# Allegro board RK3588S_Tablet_Demo_LP4XD200P232SD10H2_V11_20220218.brd (continued)
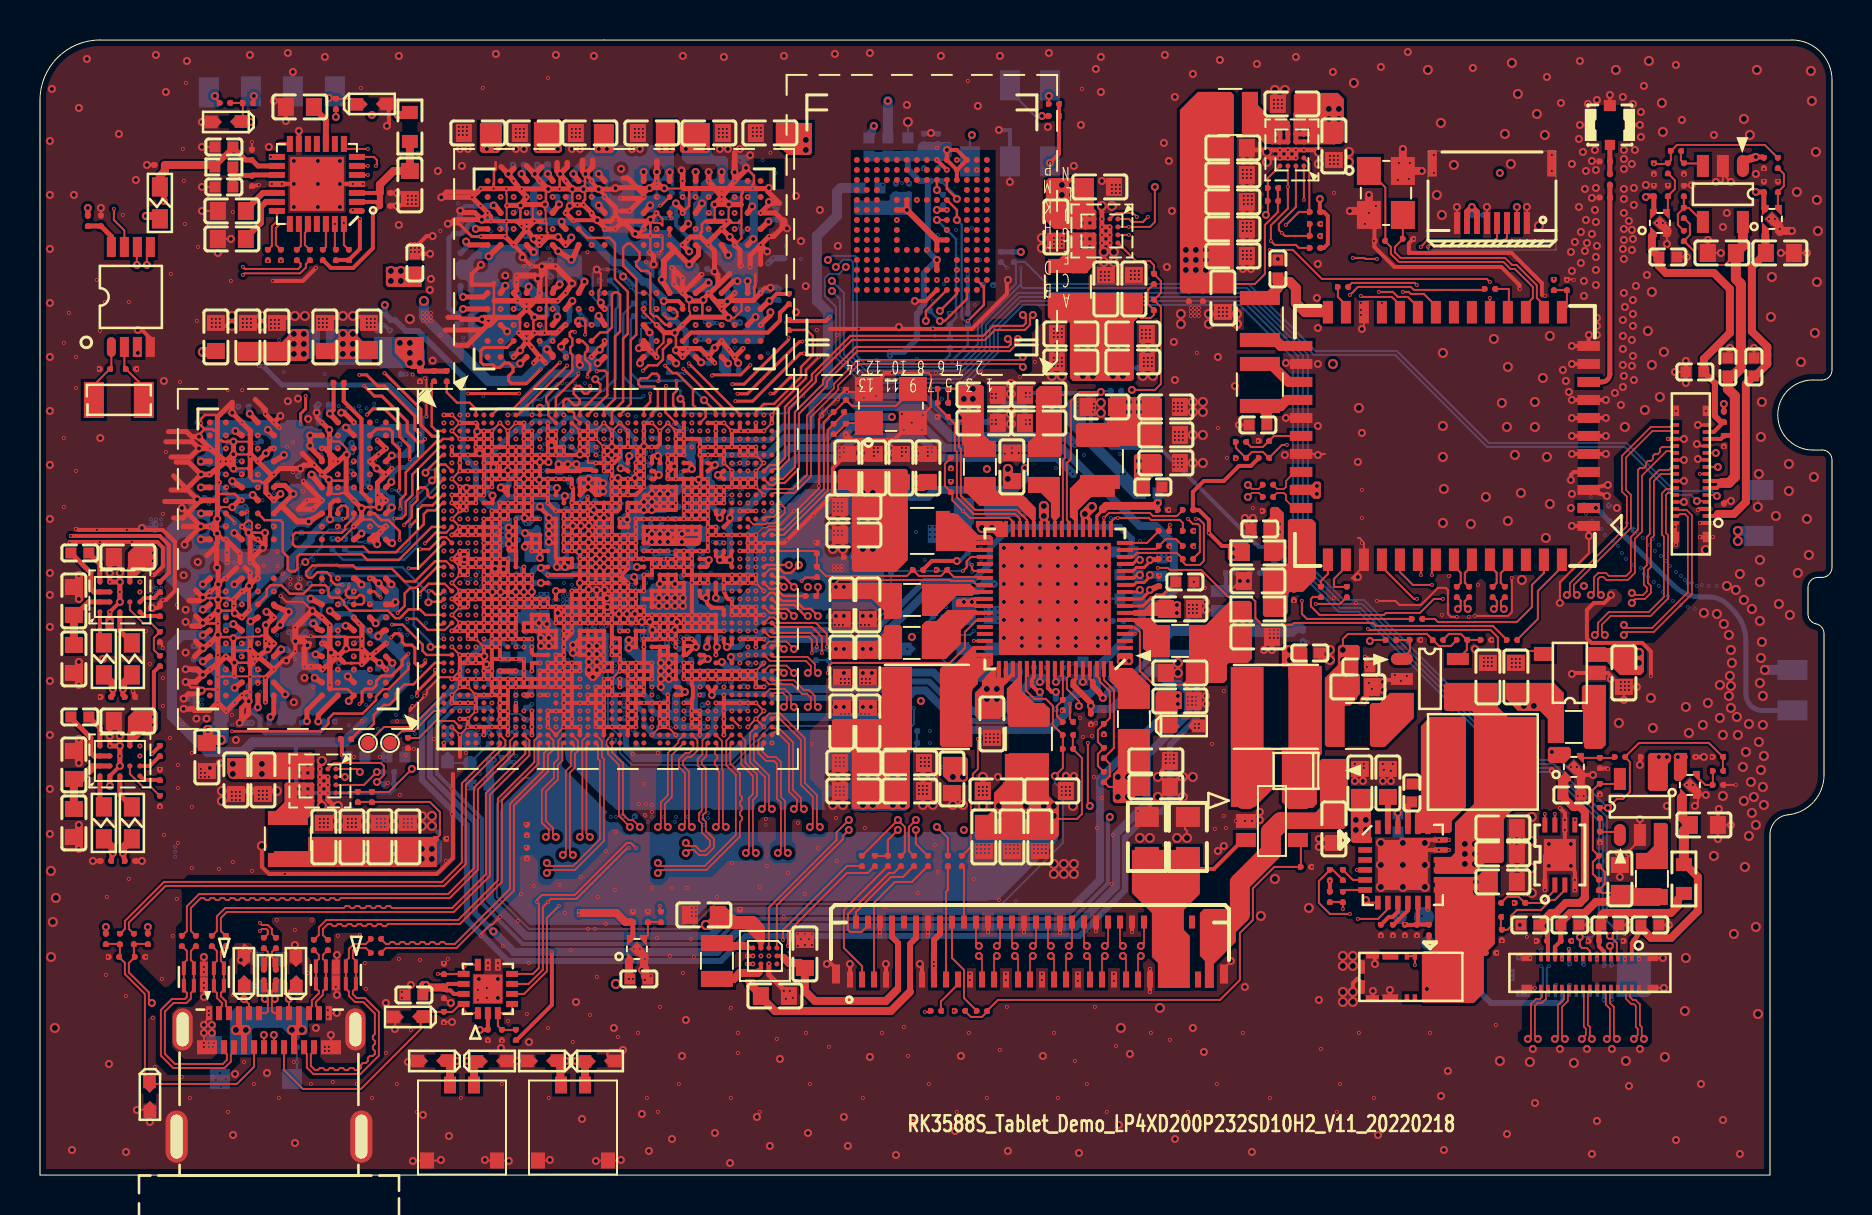
[diagram p0: board, top side]
## Footprints (pads in the part's own frame, mm; a bottom-side part is the same pattern mirrored in y, then rotated) (continued)
C0201
  custom 0.294x0.3 smd: 1(-0.25,0) 2(0.25,0)
C0402
  rect 0.55x0.55 smd: 1(-0.45,0) 2(0.45,0)
C0603
  rect 0.8x0.9 smd: 1(-0.7,0) 2(0.7,0)
CNN2_2R00_6R00X6R10X5R00_H
  rect 0.6x0.85 smd: 1(0.6,0) 2(-0.6,0)
  rect 0.7x0.8 smd: 3(-1.75,-3.775) 4(1.75,-3.775)
CON_MHF4_20449-001E
  rect 0.508x0.508 smd: 1(0,1)
  rect 0.6x0.55 smd: 2(0,-0.97)
  rect 0.074x0.201 smd: 3(-0.96,0)
  rect 0.201x0.074 smd: 4(0.96,0)
CON_SMD_6298-708_8P_0_5PITCH
  rect 0.3x1.1 smd: 1(-1.75,1.6) 2(-1.25,1.6) 3(-0.75,1.6) 4(-0.25,1.6) 5(0.25,1.6) 6(0.75,1.6) 7(1.25,1.6) 8(1.75,1.6)
  rect 0.42x1.3 smd: 9(-2.97,-1.37) 10(2.97,-1.37)
CON_SMD_BM28B0_6_30DS_2_0_35V_30
  rect 0.18x0.41 smd: 1(2.45,0.795) 2(2.1,0.795) 3(1.75,0.795) 4(1.4,0.795) 5(1.05,0.795) 6(0.7,0.795) 7(0.35,0.795) 8(0,0.795) 9(-0.35,0.795) 10(-0.7,0.795) 11(-1.05,0.795) 12(-1.4,0.795) 13(-1.75,0.795) 14(-2.1,0.795) 15(-2.45,0.795) 16(-2.45,-0.795) 17(-2.1,-0.795) 18(-1.75,-0.795) 19(-1.4,-0.795) 20(-1.05,-0.795) 21(-0.7,-0.795) 22(-0.35,-0.795) 23(0,-0.795) 24(0.35,-0.795) 25(0.7,-0.795) 26(1.05,-0.795) 27(1.4,-0.795) 28(1.75,-0.795) 29(2.1,-0.795) 30(2.45,-0.795)
  rect 0.53x0.31 smd: 31(-3.155,0.745) 32(3.155,0.745) 33(-3.155,-0.745) 34(3.155,-0.745)
CON_SMD_CPBC308-0301F_8P
  rect 0.79x0.36 smd: 1(-1.025,-1.045) 4(1.025,-1.045) 5(1.025,1.045) 8(-1.025,1.045)
  rect 0.22x0.36 smd: 2(-0.2,-1.045) 3(0.2,-1.045) 6(0.2,1.045) 7(-0.2,1.045)
  rect 0.66x0.31 smd: 9(-1.925,1.07) 12(-1.925,-1.07) 13(1.925,1.07) 16(1.925,-1.07)
  custom 0.31x0.7 smd: 10(-2.45,0.51) 11(-2.45,-0.51) 14(2.45,0.51) 15(2.45,-0.51)
CON_SMD_FH35C-61S-0_3SHW
  rect 0.3x0.8 smd: 1(-9,-1.425) 3(-8.4,-1.425) 5(-7.8,-1.425) 7(-7.2,-1.425) 9(-6.6,-1.425) 11(-6,-1.425) 13(-5.4,-1.425) 15(-4.8,-1.425) 17(-4.2,-1.425) 19(-3.6,-1.425) 21(-3,-1.425) 23(-2.4,-1.425) 25(-1.8,-1.425) 27(-1.2,-1.425) 29(-0.6,-1.425) 31(0,-1.425) 33(0.6,-1.425) 35(1.2,-1.425) 37(1.8,-1.425) 39(2.4,-1.425) 41(3,-1.425) 43(3.6,-1.425) 45(4.2,-1.425) 47(4.8,-1.425) 49(5.4,-1.425) 51(6,-1.425) 53(6.6,-1.425) 55(7.2,-1.425) 57(7.8,-1.425) 59(8.4,-1.425) 61(9,-1.425)
  rect 0.3x0.65 smd: 2(-8.7,1.45) 4(-8.1,1.45) 6(-7.5,1.45) 8(-6.9,1.45) 10(-6.3,1.45) 12(-5.7,1.45) 14(-5.1,1.45) 16(-4.5,1.45) 18(-3.9,1.45) 20(-3.3,1.45) 22(-2.7,1.45) 24(-2.1,1.45) 26(-1.5,1.45) 28(-0.9,1.45) 30(-0.3,1.45) 32(0.3,1.45) 34(0.9,1.45) 36(1.5,1.45) 38(2.1,1.45) 40(2.7,1.45) 42(3.3,1.45) 44(3.9,1.45) 46(4.5,1.45) 48(5.1,1.45) 50(5.7,1.45) 52(6.3,1.45) 54(6.9,1.45) 56(7.5,1.45) 58(8.1,1.45) 60(8.7,1.45)
  rect 0.4x0.95 smd: 62(-9.7,-1.15) 63(9.7,-1.15)
CON_SMD_WP26DK-S024VA3_24P_0_35P
  rect 0.17x0.44 smd: 1(-1.925,0.88) 2(-1.575,0.88) 3(-1.225,0.88) 4(-0.875,0.88) 5(-0.525,0.88) 6(-0.175,0.88) 7(0.175,0.88) 8(0.525,0.88) 9(0.875,0.88) 10(1.225,0.88) 11(1.575,0.88) 12(1.925,0.88) 13(1.925,-0.88) 14(1.575,-0.88) 15(1.225,-0.88) 16(0.875,-0.88) 17(0.525,-0.88) 18(0.175,-0.88) 19(-0.175,-0.88) 20(-0.525,-0.88) 21(-0.875,-0.88) 22(-1.225,-0.88) 23(-1.575,-0.88) 24(-1.925,-0.88)
  rect 0.7x0.375 smd: 25(2.855,-0.912) 27(2.855,0.912) 28(-2.855,-0.912) 30(-2.855,0.912)
  rect 0.28x0.6 smd: 26(3.395,0) 29(-3.395,0)
CRY2_3R20X1R50X0R90
  rect 1x1.8 smd: 1(-1.25,0) 2(1.25,0)
CRY4_3R20X2R50X0R80
  rect 1.4x1.2 smd: 1(-1.1,-0.85) 2(1.1,-0.85) 3(1.1,0.85) 4(-1.1,0.85)
DFN4_1R00X1R00X0R40_T
  custom 0.35x0.5 smd: N1(-0.325,-0.45) N2(0.325,-0.45) N3(0.325,0.45) N4(-0.325,0.45)
  rect 0.48x0.48 smd rot 45: N5(0,0)
DFN8_3R00X2R50X0R90
  oval 0.75x0.25 smd: 1(-1.5,0.75)
  rect 0.75x0.25 smd: 2(-1.5,0.25) 3(-1.5,-0.25) 4(-1.5,-0.75) 5(1.5,-0.75) 6(1.5,-0.25) 7(1.5,0.25) 8(1.5,0.75)
  rect 1.6x1.6 smd: 9(0,0)
ESD0402
  custom 0.868x0.636 smd: 1(-0.635,-0.02)
  custom 0.86x0.636 smd: 2(0.622,0)
IND_201610
  rect 0.8x1.6 smd: 1(-0.9,0) 2(0.9,0)
IND_252010
  rect 0.7x2 smd: 1(-1.05,0) 2(1.05,0)
IND_252012
  rect 0.7x2 smd: 1(-1.05,0) 2(1.05,0)
IND_404012
  rect 1.5x4 smd: 1(-1.5,0) 2(1.5,0)
IND_404020
  rect 1.5x4 smd: 1(-1.5,0) 2(1.5,0)
IND_505015
  rect 1.8x4.5 smd: 1(-1.75,0) 2(1.75,0)
L0603
  rect 0.965x0.8 smd: 1(-0.8,0) 2(0.8,0)
MD50_WIFI-AP6275P
  rect 1.125x0.5 smd: 1(-7.188,4.5) 2(-7.188,3.6) 3(-7.188,2.7) 4(-7.188,1.8) 5(-7.188,0.9) 6(-7.188,0) 7(-7.188,-0.9) 8(-7.188,-1.8) 9(-7.188,-2.7) 10(-7.188,-3.6) 11(-7.188,-4.5) 26(7.188,-4.5) 27(7.188,-3.6) 28(7.188,-2.7) 29(7.188,-1.8) 30(7.188,-0.9) 31(7.188,0) 32(7.188,0.9) 33(7.188,1.8) 34(7.188,2.7) 35(7.188,3.6) 36(7.188,4.5)
  rect 0.5x1.125 smd: 12(-5.85,-6.188) 13(-4.95,-6.188) 14(-4.05,-6.188) 15(-3.15,-6.188) 16(-2.25,-6.188) 17(-1.35,-6.188) 18(-0.45,-6.188) 19(0.45,-6.188) 20(1.35,-6.188) 21(2.25,-6.188) 22(3.15,-6.188) 23(4.05,-6.188) 24(4.95,-6.188) 25(5.85,-6.188) 37(5.85,6.188) 38(4.95,6.188) 39(4.05,6.188) 40(3.15,6.188) 41(2.25,6.188) 42(1.35,6.188) 43(0.45,6.188) 44(-0.45,6.188) 45(-1.35,6.188) 46(-2.25,6.188) 47(-3.15,6.188) 48(-4.05,6.188) 49(-4.95,6.188) 50(-5.85,6.188)
MLP14_2R50X2R50X0R80
  rect 0.6x0.3 smd: 1(-1.21,0.5) 2(-1.21,0) 3(-1.21,-0.5) 8(1.21,-0.5) 9(1.21,0) 10(1.21,0.5)
  rect 0.3x0.6 smd: 4(-0.75,-1.21) 5(-0.25,-1.21) 6(0.25,-1.21) 7(0.75,-1.21) 11(0.75,1.21) 12(0.25,1.21) 13(-0.25,1.21) 14(-0.75,1.21)
  rect 1.45x1.45 smd: 15(0,0)
QFN24_4R00X4R00X0R80_T
  rect 0.28x0.69 smd: 1(-1.25,-1.885) 2(-0.75,-1.885) 3(-0.25,-1.885) 4(0.25,-1.885) 5(0.75,-1.885) 6(1.25,-1.885) 13(1.25,1.885) 14(0.75,1.885) 15(0.25,1.885) 16(-0.25,1.885) 17(-0.75,1.885) 18(-1.25,1.885)
  rect 0.69x0.28 smd: 7(1.885,-1.25) 8(1.885,-0.75) 9(1.885,-0.25) 10(1.885,0.25) 11(1.885,0.75) 12(1.885,1.25) 19(-1.885,1.25) 20(-1.885,0.75) 21(-1.885,0.25) 22(-1.885,-0.25) 23(-1.885,-0.75) 24(-1.885,-1.25)
  rect 2.5x2.5 smd: 25(0,0)
QFN28_4R00X4R00X0R90_T
  oval 0.8x0.3 smd: 1(-2,1.35)
  rect 0.8x0.3 smd: 2(-2,0.9) 3(-2,0.45) 4(-2,0) 5(-2,-0.45) 6(-2,-0.9) 7(-2,-1.35) 15(2,-1.35) 16(2,-0.9) 17(2,-0.45) 18(2,0) 19(2,0.45) 20(2,0.9) 21(2,1.35)
  rect 0.3x0.8 smd: 8(-1.35,-2) 9(-0.9,-2) 10(-0.45,-2) 11(0,-2) 12(0.45,-2) 13(0.9,-2) 14(1.35,-2) 22(1.35,2) 23(0.9,2) 24(0.45,2) 25(0,2) 26(-0.45,2) 27(-0.9,2) 28(-1.35,2)
  rect 2.7x2.7 smd: 29(0,0)
QFN68_7R00X7R00X0R80_T
  oval 0.8x0.2 smd: 1(-3.5,2.8)
  rect 0.8x0.2 smd: 2(-3.5,2.45) 3(-3.5,2.1) 4(-3.5,1.75) 5(-3.5,1.4) 6(-3.5,1.05) 7(-3.5,0.7) 8(-3.5,0.35) 9(-3.5,0) 10(-3.5,-0.35) 11(-3.5,-0.7) 12(-3.5,-1.05) 13(-3.5,-1.4) 14(-3.5,-1.75) 15(-3.5,-2.1) 16(-3.5,-2.45) 17(-3.5,-2.8) 35(3.5,-2.8) 36(3.5,-2.45) 37(3.5,-2.1) 38(3.5,-1.75) 39(3.5,-1.4) 40(3.5,-1.05) 41(3.5,-0.7) 42(3.5,-0.35) 43(3.5,0) 44(3.5,0.35) 45(3.5,0.7) 46(3.5,1.05) 47(3.5,1.4) 48(3.5,1.75) 49(3.5,2.1) 50(3.5,2.45) 51(3.5,2.8)
  rect 0.2x0.8 smd: 18(-2.8,-3.5) 19(-2.45,-3.5) 20(-2.1,-3.5) 21(-1.75,-3.5) 22(-1.4,-3.5) 23(-1.05,-3.5) 24(-0.7,-3.5) 25(-0.35,-3.5) 26(0,-3.5) 27(0.35,-3.5) 28(0.7,-3.5) 29(1.05,-3.5) 30(1.4,-3.5) 31(1.75,-3.5) 32(2.1,-3.5) 33(2.45,-3.5) 34(2.8,-3.5) 52(2.8,3.5) 53(2.45,3.5) 54(2.1,3.5) 55(1.75,3.5) 56(1.4,3.5) 57(1.05,3.5) 58(0.7,3.5) 59(0.35,3.5) 60(0,3.5) 61(-0.35,3.5) 62(-0.7,3.5) 63(-1.05,3.5) 64(-1.4,3.5) 65(-1.75,3.5) 66(-2.1,3.5) 67(-2.45,3.5) 68(-2.8,3.5)
  rect 5.6x5.6 smd: 69(0,0)
R0201
  custom 0.294x0.3 smd: 1(-0.25,0) 2(0.25,0)
R0402
  rect 0.55x0.55 smd: 1(-0.45,0) 2(0.45,0)
R0603
  rect 0.65x0.8 smd: 1(-0.725,0) 2(0.725,0)
R0805
  rect 1x1.2 smd: 1(-1,0) 2(1,0)
RP2_0504
  rect 0.5x0.3 smd: 1(-0.625,-0.275) 2(0.625,-0.275) 3(-0.625,0.275) 4(0.625,0.275)
SMD1_65X1_0
  rect 1.5x1 smd: 1(0.075,0)
SOD_123
  rect 1x1 smd: 1(-1.8,0) 2(1.8,0)
SON10_2R50X1R00X0R50
  rect 0.2x0.68 smd: 1(-1,-0.437) 2(-0.5,-0.437) 4(0.5,-0.437) 5(1,-0.437) 6(1,0.437) 7(0.5,0.437) 9(-0.5,0.437) 10(-1,0.437)
  rect 0.4x0.75 smd: 3(0,-0.395) 8(0,0.395)
SOT23-6
  oval 1x0.7 smd: 1(-1.3,0.95)
  rect 1x0.7 smd: 2(-1.3,0) 3(-1.3,-0.95) 4(1.3,-0.95) 5(1.3,0) 6(1.3,0.95)
SOT_23_5
  oval 1.1x0.6 smd: 1(0,0)
  rect 1.1x0.6 smd: 2(0,-1) 3(0,-2) 4(2.8,-2) 5(2.8,0)
TP_0R70
  round 0.7 smd: 1(0,0)
TP_1R00
  round 1 smd: 1(0,0)
TSOT_23_5
  rect 1x0.7 smd: 1(-1.3,0.95) 2(-1.3,0) 3(-1.3,-0.95) 4(1.3,-0.95) 5(1.3,0.95)
TSSOP8_3R10X3R10X1R10
  oval 1x0.45 smd: 1(-2.5,0.975)
  rect 1x0.45 smd: 2(-2.5,0.325) 3(-2.5,-0.325) 4(-2.5,-0.975) 5(2.5,-0.975) 6(2.5,-0.325) 7(2.5,0.325) 8(2.5,0.975)
TYPEC30_24P_SD-2012670005
  rect 0.3x0.7 smd: A1(-3,3.49) A2(-2.5,3.49) A3(-2,3.49) A4(-1.5,3.49) A5(-1,3.49) A6(-0.5,3.49) A7(0.5,3.49) A8(1,3.49) A9(1.5,3.49) A10(2,3.49) A11(2.5,3.49) A12(3,3.49) B2(2.25,1.79) B3(1.75,1.79) B4(1.25,1.79) B5(0.75,1.79) B6(0.25,1.79) B7(-0.25,1.79) B8(-0.75,1.79) B9(-1.25,1.79) B10(-1.75,1.79) B11(-2.25,1.79)
  rect 1x0.7 smd: B1(3.1,1.79) B12(-3.1,1.79)
  oval 1x2.1 hole 0.6x1.7: H1(-4.32,2.68) H2(4.32,2.68)
  oval 1.1x2.6 hole 0.6x2.2: H3(-4.62,-2.68) H4(4.62,-2.68)
WLCSP20_1R65X2R05X0R63
  round 0.25 smd: A1(-0.6,0.8) A2(-0.2,0.8) A3(0.2,0.8) A4(0.6,0.8) B1(-0.6,0.4) B2(-0.2,0.4) B3(0.2,0.4) B4(0.6,0.4) C1(-0.6,0) C2(-0.2,0) C3(0.2,0) C4(0.6,0) D1(-0.6,-0.4) D2(-0.2,-0.4) D3(0.2,-0.4) D4(0.6,-0.4) E1(-0.6,-0.8) E2(-0.2,-0.8) E3(0.2,-0.8) E4(0.6,-0.8)
WLCSP-1R7X1R51-12B
  round 0.25 smd: A1(-0.4,0.6) A2(0,0.6) A3(0.4,0.6) B1(-0.4,0.2) B2(0,0.2) B3(0.4,0.2) C1(-0.4,-0.2) C2(0,-0.2) C3(0.4,-0.2) D1(-0.4,-0.6) D2(0,-0.6) D3(0.4,-0.6)

## Nets
AVDD1V8_DDR_PLL_S0: C1100.1 C1104.1 C1114.1 C1209.1 C1214.1 C1403.1 C1404.1 C1506.1 C1600.1 C1601.1 C1609.1 C1610.1 C1713.1 C1714.1 C1802.1 C1803.1 C2249.1 C2290.1 R1402.2 R1500.2 R1501.1 R7001.1 U1000.AB25(PLL_AVDD1V8) U1000.AK12(HDMI/EDP_TX0_VDD_IO_1V8) U1000.AL14(HDMI/EDP_TX0_VDD_CMN_1V8) U1000.AM35(MIPI_CSI0_AVCC1V8) U1000.AP23(SARADC_AVDD_1V8) U1000.AR23(TYPEC0_DP0_VDDH_1V8) U1000.AR30(MIPI_D/C_PHY_VDD_1V8_1) U1000.AT30(MIPI_D/C_PHY_VDD_1V8_2) U1000.G34(PCIE20_SATA30_0_AVDD_1V8) U1000.H34(PCIE20_SATA30_USB30_2_AVDD_1V8) U1000.L15(DDR_CH1_PLL_AVDD1V8) U1000.N35(OSC_1V8_1) U1000.N36(OSC_1V8_2) U1000.Y14(DDR_CH0_PLL_AVDD1V8) U2200.58(PLDO2)
GND: BT2000.5 BT2000.13 BT2000.14 BT2000.15 BT2000.16 C1000.2 C1001.2 C1002.2 C1003.2 C1004.2 C1005.2 C1006.2 C1007.2 C1008.2 C1009.2 C1010.2 C1011.2 C1012.2 C1013.2 C1014.2 C1015.2 C1017.2 C1019.2 C1020.2 C1021.2 C1022.2 C1023.2 C1024.2 C1025.2 C1026.2 C1027.2 C1028.2 C1029.2 C1030.2 C1031.2 C1032.2 C1033.2 C1034.2 C1035.2 C1036.2 C1037.2 C1038.2 C1039.2 C1040.2 C1041.2 C1042.2 C1043.2 C1050.2 C1051.2 C1052.2 C1053.2 C1054.2 C1055.2 C1056.2 C1057.2 C1058.2 C1059.2 C1060.2 C1061.2 C1063.2 C1070.2 C1071.2 C1072.2 C1073.2 C1074.2 C1075.2 C1076.2 C1077.2 C1078.2 C1079.2 C1080.2 C1081.2 C1082.2 C1083.2 C1084.2 C1085.2 C1087.2 C1090.2 C1100.2 C1101.2 C1103.2 C1104.2 C1105.2 C1106.2 C1107.2 C1110.2 C1111.2 C1112.2 C1113.2 C1114.2 C1125.2 C1200.2 C1202.2 C1203.2 C1204.2 C1205.2 C1206.2 C1207.2 C1208.2 C1209.2 C1210.2 C1211.2 C1212.2 C1213.2 C1214.2 C1215.2 C1216.2 C1217.2 C1218.2 C1219.2 C1220.2 C1221.2 C1222.2 C1223.2 C1224.2 C1250.2 C1251.2 C1252.2 C1253.2 C1300.2 C1301.2 C1302.2 C1400.2 C1401.2 C1402.2 C1403.2 C1404.2 C1405.2 C1406.2 C1407.2 C1500.2 C1501.2 C1502.2 C1504.2 C1506.2 C1507.2 C1508.2 C1600.2 C1601.2 C1602.2 C1603.2 C1604.2 C1605.2 C1607.2 C1608.2 C1609.2 C1610.2 C1611.2 C1612.2 C1613.2 C1710.2 C1711.2 C1712.2 C1713.2 C1714.2 C1725.2 C1800.2 C1801.2 C1802.2 C1803.2 C1902.2 C1903.2 C1904.2 C1905.2 C1906.2 C1907.2 C2006.2 C2007.2 C2124.2 C2125.2 C2126.2 C2200.2 C2201.2 C2202.2 C2203.2 C2205.2 C2210.2 C2213.2 C2214.2 C2215.2 C2217.2 C2218.2 C2225.2 C2226.2 C2227.2 C2228.2 C2231.2 C2232.2 C2235.2 C2236.2 C2237.2 C2238.2 C2239.2 C2240.2 C2241.2 C2242.2 C2243.2 C2244.2 C2245.2 C2246.2 C2247.2 C2248.2 C2249.2 C2250.2 C2251.2 C2252.2 C2253.2 C2254.2 C2255.2 C2257.2 C2258.2 C2259.2 C2260.2 C2261.2 C2262.2 C2263.2 C2264.2 C2265.2 C2280.2 C2281.2 C2282.2 C2283.2 C2290.2 C2300.2 C2301.2 C2303.2 C2304.2 C2306.2 C2307.2 C2308.2 C2309.2 C2311.2 C2312.2 C2314.2 C2315.2 C2316.2 C2317.2 C2319.2 C2320.2 C2322.2 C2323.2 C2324.2 C2326.2 C2327.2 C2328.2 C2330.2 C2331.2 C2356.2 C2504.2 C2505.2 C2507.2 C2508.2 C2509.2 C2510.2 C2511.2 C2612.2 C2613.2 C2614.2 C2615.2 C2616.2 C2617.1 C3807.2 C3808.2 C3809.2 C3810.2 C3811.2 C3812.2 C3813.2 C3814.2 C3815.2 C3816.2 C3817.2 C3818.2 C3819.2 C3820.2 C3821.2 C3822.2 C3823.2 C3824.2 C3825.2 C3826.2 C3827.2 C3828.2 C3829.2 C3830.2 C3831.2 C3832.2 C3833.2 C3834.2 C3835.2 C3836.2 C3837.2 C3838.2 C3839.2 C3840.2 C3841.2 C3842.2 C3843.2 C3844.2 C3845.2 C3846.2 C3847.2 C3848.2 C3849.2 C3850.2 C3851.2 C3852.2 C3853.2 C3854.2 C3855.2 C3856.2 C3857.2 C3858.2 C3859.2 C3860.2 C3861.2 C3862.2 C3863.2 C3864.2 C3865.2 C3866.2 C3867.2 C3868.2 C3869.2 C3870.2 C3871.2 C3872.2 C3873.2 C3874.2 C3875.2 C3876.2 C3877.2 C3878.2 C3879.2 C3880.2 C3881.2 C3882.2 C3883.2 C3884.2 C3885.2 C3886.2 C3887.2 C3888.2 C3889.2 C3890.2 C3898.2 C3899.2 C4000.2 C4001.2 C4002.2 C4003.2 C4004.2 C4005.2 C4006.2 C4007.2 C4008.2 C4600.2 C4601.2 C4602.2 C4603.2 C4604.2 C4605.2 C4618.2 C4619.2 C4620.2 C4623.2 C4626.2 C4627.2 C4628.2 C4630.2 C4631.2 C4700.2 C4701.2 C4702.2 C4703.2 C4704.2 C4705.2 C4706.2 C4707.2 C4716.2 C4719.2 C4720.2 C4722.2 C4724.2 C4725.2 C4727.2 C4729.2 C4731.2 C5500.2 C5501.2 C5607.2 C5609.2 C6230.2 C6300.2 C6301.2 C6306.2 C6307.2 C6313.2 C6314.2 C6315.2 C6316.2 C6317.2 C6318.2 C6319.2 C6320.2 C6323.2 C7000.2 C7001.2 C7002.2 C7003.2 C7004.2 C7006.2 C7013.2 C7014.2 C7015.2 C7016.2 C7017.2 C7022.2 C7031.1 C7034.2 C7035.2 C7036.2 C9612.2 C9613.2 C9615.2 C9616.2 C9618.2 C9619.2 C9621.2 C9622.2 C9623.2 C9625.1 C9626.2 C9627.2 C9628.2 C9629.2 C9630.2 C9633.1 C9634.1 C9923.2 D2600.1(ANODE) D2601.2 D2602.2 D2603.2 D2604.2 D2605.2 D2606.2 D9200.2 D9202.2 D9203.2 ED2200.2 ED7006.2 ED7007.2 ED7010.2 ED7011.2 ED9300.2 ED9301.2 J3.1 J9.2(GND2) J9.3(GND1) J9.4(GND3) J2600.A1(GND1) J2600.A12(GND2) J2600.B1(GND3) J2600.B12(GND4) J2600.H1(HOLE_1) J2600.H2(HOLE_2) J2600.H3(HOLE_3) J2600.H4(HOLE_4) J4600.1 J4600.3 J4600.10 J4600.12 J4600.15 J4600.18 J4600.21 J4600.24 J4600.27 J4600.30 J4600.31(G_31) J4600.32(G_32) J4600.33(G_33) J4600.34(G_34) J4700.1 J4700.3 J4700.7 J4700.10 J4700.12 J4700.18 J4700.21 J4700.24 J4700.27 J4700.30 J4700.31(G_31) J4700.32(G_32) J4700.33(G_33) J4700.34(G_34) J5500.1 J5500.6 J5500.7 J5500.13 J5500.14 J5500.21 J5500.24 J5500.27 J5500.30 J5500.33 J5500.36 J5500.39 J5500.42 J5500.45 J5500.48 J5500.51 J5500.62 J5500.63 J7001.3 J7001.4 J7002.1 J7002.5 J7002.8 J7002.9 J7002.10 J7004.1 J7010.1 J7011.1 J7012.B3(PG) J7012.D2(AG) J7013.3 J7013.4 J7014.3 J7014.5 J7014.9 J7014.10 J7014.11 J7014.14 J7014.15 J7014.18 J7014.20 J7014.22 J7014.28 J7014.29 J7014.30 R1400.2 R1404.2 R1502.2 R1708.2 R2227.2 R2241.2 R2244.2 R2258.2 R2265.1 R2291.2 R2303.2 R2310.2 R2311.2 R2314.2 R2507.2 R2508.2 R2509.2 R2602.2 R2603.2 R4006.2 R4651.2 R4736.2 R4760.2 R5609.2 R5613.2 R5620.2 R9668.2 R9687.1 R9689.1 R9690.1 TP5615.1 TP9112.1 U1000.A1(VSS_1) U1000.A2(VSS_2) U1000.A42(VSS_3) U1000.AA3(VSS_296) U1000.AA6(VSS_297) U1000.AA7(VSS_298) U1000.AA8(VSS_299) U1000.AA9(VSS_300) U1000.AA10(VSS_301) U1000.AA11(VSS_302) U1000.AA12(VSS_303) U1000.AA14(DDR_CH0_PLL_AVSS) U1000.AA19(VSS_304) U1000.AA22(VSS_305) U1000.AA23(VSS_306) U1000.AA26(PLL_AVSS) U1000.AA31(VSS_307) U1000.AA37(VSS_308) U1000.AA38(VSS_309) U1000.AA39(VSS_310) U1000.AA40(VSS_311) U1000.AB2(VSS_312) U1000.AB6(VSS_313) U1000.AB9(VSS_314) U1000.AB10(VSS_315) U1000.AB11(VSS_316) U1000.AB12(VSS_317) U1000.AB19(VSS_318) U1000.AB20(VSS_319) U1000.AB21(VSS_320) U1000.AB22(VSS_321) U1000.AB23(VSS_322) U1000.AB24(VSS_323) U1000.AB32(VSS_324) U1000.AB33(VSS_325) U1000.AB34(VSS_326) U1000.AB36(VSS_327) U1000.AB37(VSS_328) U1000.AB38(VSS_329) U1000.AB39(VSS_330) U1000.AB40(VSS_331) U1000.AC3(VSS_332) U1000.AC4(VSS_333) U1000.AC5(VSS_334) U1000.AC6(VSS_335) U1000.AC17(VSS_336) U1000.AC18(VSS_337) U1000.AC22(VSS_338) U1000.AC23(VSS_339) U1000.AC24(VSS_340) U1000.AC25(VSS_341) U1000.AC26(VSS_342) U1000.AC41(VSS_343) U1000.AD2(VSS_344) U1000.AD3(VSS_345) U1000.AD5(VSS_346) U1000.AD6(VSS_347) U1000.AD8(VSS_348) U1000.AD9(VSS_349) U1000.AD10(VSS_350) U1000.AD11(VSS_351) U1000.AD12(VSS_352) U1000.AD13(VSS_353) U1000.AD14(VSS_354) U1000.AD19(VSS_355) U1000.AD20(VSS_356) U1000.AD22(VSS_357) U1000.AD23(VSS_358) U1000.AD24(VSS_359) U1000.AD25(VSS_360) U1000.AE6(VSS_361) U1000.AE7(VSS_362) U1000.AE8(VSS_363) U1000.AE9(VSS_364) U1000.AE10(VSS_365) U1000.AE11(VSS_366) U1000.AE12(VSS_367) U1000.AE13(VSS_368) U1000.AE14(VSS_369) U1000.AE15(VSS_370) U1000.AE16(VSS_371) U1000.AE19(VSS_372) U1000.AE20(VSS_373) U1000.AE22(VSS_374) U1000.AE23(VSS_375) U1000.AE24(VSS_376) U1000.AE25(VSS_377) U1000.AE26(VSS_378) U1000.AE38(VSS_379) U1000.AE39(VSS_380) U1000.AE40(VSS_381) U1000.AF2(VSS_382) U1000.AF6(VSS_383) U1000.AF7(VSS_384) U1000.AF8(VSS_385) U1000.AF9(VSS_386) U1000.AF10(VSS_387) U1000.AF16(VSS_388) U1000.AF17(VSS_389) U1000.AF19(VSS_390) U1000.AF20(VSS_391) U1000.AF21(VSS_392) U1000.AF26(VSS_393) U1000.AF27(VSS_394) U1000.AF28(VSS_395) U1000.AF29(VSS_396) U1000.AF30(VSS_397) U1000.AF31(VSS_398) U1000.AF32(VSS_399) U1000.AF33(VSS_400) U1000.AF34(VSS_401) U1000.AF35(RESERVED) U1000.AF37(VSS_402) U1000.AF38(VSS_403) U1000.AF39(VSS_404) U1000.AF40(VSS_405) U1000.AF41(VSS_406) U1000.AG3(VSS_407) U1000.AG4(VSS_408) U1000.AG5(VSS_409) U1000.AG6(VSS_410) U1000.AG7(VSS_411) U1000.AG8(VSS_412) U1000.AG15(VSS_413) U1000.AG16(VSS_414) U1000.AG17(VSS_415) U1000.AG18(VSS_416) U1000.AG19(VSS_417) U1000.AG20(VSS_418) U1000.AG21(VSS_419) U1000.AG22(VSS_420) U1000.AG23(VSS_421) U1000.AG24(VSS_422) U1000.AG25(VSS_423) U1000.AG28(VSS_424) U1000.AG29(VSS_425) U1000.AG31(VSS_426) U1000.AG32(VSS_427) U1000.AG33(VSS_428) U1000.AG34(VSS_429) U1000.AG35(VSS_430) U1000.AG40(VSS_431) U1000.AH2(VSS_432) U1000.AH3(VSS_433) U1000.AH4(VSS_434) U1000.AH5(VSS_435) U1000.AH7(VSS_436) U1000.AH8(VSS_437) U1000.AH9(VSS_438) U1000.AH10(VSS_439) U1000.AH16(VSS_440) U1000.AH17(VSS_441) U1000.AH28(VSS_442) U1000.AH29(VSS_443) U1000.AH36(VSS_444) U1000.AJ5(VSS_445) U1000.AJ7(VSS_446) U1000.AJ8(VSS_447) U1000.AJ9(VSS_448) U1000.AJ10(VSS_449) U1000.AJ11(VSS_450) U1000.AJ12(VSS_451) U1000.AJ16(VSS_452) U1000.AJ26(VSS_453) U1000.AJ27(VSS_454) U1000.AJ28(VSS_455) U1000.AJ29(VSS_456) U1000.AJ30(VSS_457) U1000.AJ35(VSS_458) U1000.AJ38(VSS_459) U1000.AJ39(VSS_460) U1000.AJ40(VSS_461) U1000.AJ41(VSS_462) U1000.AK2(VSS_463) U1000.AK6(VSS_464) U1000.AK7(VSS_465) U1000.AK16(VSS_466) U1000.AK22(VSS_467) U1000.AK26(VSS_468) U1000.AK30(VSS_469) U1000.AK40(VSS_470) U1000.AL3(VSS_471) U1000.AL4(VSS_472) U1000.AL5(VSS_473) U1000.AL15(AVSS_24) U1000.AL16(VSS_474) U1000.AL22(VSS_475) U1000.AL35(VSS_476) U1000.AM4(VSS_477) U1000.AM5(VSS_478) U1000.AM14(AVSS_25) U1000.AM15(AVSS_26) U1000.AM16(VSS_479) U1000.AM17(VSS_480) U1000.AM23(VSS_481) U1000.AM25(VSS_482) U1000.AM27(VSS_483) U1000.AM31(VSS_484) U1000.AM32(VSS_485) U1000.AM41(VSS_486) U1000.AN3(VSS_487) U1000.AN6(VSS_488) U1000.AN7(VSS_489) U1000.AN11(AVSS_27) U1000.AN13(AVSS_28) U1000.AN14(AVSS_29) U1000.AN15(AVSS_30) U1000.AN17(VSS_490) U1000.AN18(AVSS_31) U1000.AN23(VSS_491) U1000.AN25(VSS_492) U1000.AN31(VSS_493) U1000.AN32(VSS_494) U1000.AN33(VSS_495) U1000.AN34(VSS_496) U1000.AN35(VSS_497) U1000.AN37(VSS_498) U1000.AN38(VSS_499) U1000.AN39(VSS_500) U1000.AN40(VSS_501) U1000.AP2(VSS_502) U1000.AP5(VSS_503) U1000.AP6(VSS_504) U1000.AP7(AVSS_32) U1000.AP8(AVSS_33) U1000.AP9(AVSS_34) U1000.AP10(AVSS_35) U1000.AP11(AVSS_36) U1000.AP16(AVSS_37) U1000.AP22(AVSS_38) U1000.AP25(VSS_505) U1000.AP27(VSS_506) U1000.AP31(AVSS_39) U1000.AP32(AVSS_40) U1000.AP33(VSS_507) U1000.AP34(VSS_508) U1000.AP35(VSS_509) U1000.AP37(VSS_510) U1000.AP38(VSS_511) U1000.AP39(VSS_512) U1000.AP40(VSS_513) U1000.AR3(VSS_514) U1000.AR4(VSS_515) U1000.AR9(AVSS_41) U1000.AR16(AVSS_42) U1000.AR18(AVSS_43) U1000.AR20(AVSS_44) U1000.AR21(AVSS_45) U1000.AR22(AVSS_46) U1000.AR25(AVSS_47) U1000.AR40(VSS_516) U1000.AR41(VSS_517) U1000.AT2(VSS_518) U1000.AT5(VSS_519) U1000.AT6(VSS_520) U1000.AT7(AVSS_48) U1000.AT8(AVSS_49) U1000.AT16(AVSS_50) U1000.AT19(AVSS_51) U1000.AT20(AVSS_52) U1000.AT21(AVSS_53) U1000.AT22(AVSS_54) U1000.AT23(AVSS_55) U1000.AT29(AVSS_56) U1000.AT36(VSS_521) U1000.AU2(VSS_522) U1000.AU3(VSS_523) U1000.AU4(VSS_524) U1000.AU8(AVSS_57) U1000.AU16(AVSS_58) U1000.AU18(AVSS_59) U1000.AU19(AVSS_60) U1000.AU21(AVSS_61) U1000.AU24(AVSS_62) U1000.AU25(AVSS_63) U1000.AU27(AVSS_64) U1000.AU28(AVSS_65) U1000.AU29(AVSS_66) U1000.AU31(AVSS_67) U1000.AU35(VSS_525) U1000.AU38(VSS_526) U1000.AU39(VSS_527) U1000.AU40(VSS_528) U1000.AV5(VSS_529) U1000.AV8(AVSS_68) U1000.AV9(AVSS_69) U1000.AV12(AVSS_70) U1000.AV14(AVSS_71) U1000.AV15(AVSS_72) U1000.AV16(AVSS_73) U1000.AV21(AVSS_74) U1000.AV25(AVSS_75) U1000.AV29(AVSS_76) U1000.AV32(AVSS_77) U1000.AV33(AVSS_78) U1000.AV36(VSS_530) U1000.AV41(VSS_531) U1000.AW3(VSS_532) U1000.AW4(VSS_533) U1000.AW8(AVSS_79) U1000.AW9(AVSS_80) U1000.AW12(AVSS_81) U1000.AW14(AVSS_82) U1000.AW16(AVSS_83) U1000.AW17(AVSS_84) U1000.AW21(AVSS_85) U1000.AW25(AVSS_86) U1000.AW28(AVSS_87) U1000.AW29(AVSS_88) U1000.AW32(AVSS_89) U1000.AW33(AVSS_90) U1000.AW36(AVSS_91) U1000.AW40(AVSS_92) U1000.AY2(AVSS_93) U1000.AY4(AVSS_94) U1000.AY5(AVSS_95) U1000.AY7(AVSS_96) U1000.AY8(AVSS_97) U1000.AY9(AVSS_98) U1000.AY12(AVSS_99) U1000.AY14(AVSS_100) U1000.AY16(AVSS_101) U1000.AY17(AVSS_102) U1000.AY18(AVSS_103) U1000.AY21(AVSS_104) U1000.AY22(AVSS_105) U1000.AY23(AVSS_106) U1000.AY25(AVSS_107) U1000.AY28(AVSS_108) U1000.AY29(AVSS_109) U1000.AY32(AVSS_110) U1000.AY33(AVSS_111) U1000.AY36(AVSS_112) U1000.AY37(AVSS_113) U1000.AY39(AVSS_114) U1000.AY41(AVSS_115) U1000.B3(VSS_4) U1000.B5(VSS_5) U1000.B8(VSS_6) U1000.B10(VSS_7) U1000.B11(VSS_8) U1000.B14(VSS_9) U1000.B17(VSS_10) U1000.B19(VSS_11) U1000.B21(VSS_12) U1000.B23(VSS_13) U1000.B26(VSS_14) U1000.B27(VSS_15) U1000.B29(VSS_16) U1000.B31(VSS_17) U1000.B34(VSS_18) U1000.B35(VSS_19) U1000.B36(VSS_20) U1000.B38(VSS_21) U1000.B40(VSS_22) U1000.B42(VSS_23) U1000.BA3(AVSS_116) U1000.BA6(AVSS_117) U1000.BA9(AVSS_118) U1000.BA12(AVSS_119) U1000.BA15(AVSS_120) U1000.BA18(AVSS_121) U1000.BA21(AVSS_122) U1000.BA24(AVSS_123) U1000.BA27(AVSS_124) U1000.BA30(AVSS_125) U1000.BA33(AVSS_126) U1000.BA36(AVSS_127) U1000.BB1(AVSS_128) U1000.BB42(AVSS_129) U1000.C2(VSS_24) U1000.C6(VSS_25) U1000.C7(VSS_26) U1000.C9(VSS_27) U1000.C11(VSS_28) U1000.C12(VSS_29) U1000.C14(VSS_30) U1000.C15(VSS_31) U1000.C18(VSS_32) U1000.C19(VSS_33) U1000.C20(VSS_34) U1000.C22(VSS_35) U1000.C24(VSS_36) U1000.C26(VSS_37) U1000.C28(VSS_38) U1000.C30(VSS_39) U1000.C35(VSS_40) U1000.C37(VSS_41) U1000.C39(VSS_42) U1000.C41(AVSS_1) U1000.D3(VSS_43) U1000.D4(VSS_44) U1000.D7(VSS_45) U1000.D11(VSS_46) U1000.D14(VSS_47) U1000.D15(VSS_48) U1000.D18(VSS_49) U1000.D19(VSS_50) U1000.D22(VSS_51) U1000.D26(VSS_52) U1000.D30(VSS_53) U1000.D31(VSS_54) U1000.D32(VSS_55) U1000.E2(VSS_56) U1000.E5(VSS_57) U1000.E6(VSS_58) U1000.E8(VSS_59) U1000.E9(VSS_60) U1000.E10(VSS_61) U1000.E12(VSS_62) U1000.E16(VSS_63) U1000.E18(VSS_64) U1000.E19(VSS_65) U1000.E21(VSS_66) U1000.E23(VSS_67) U1000.E25(VSS_68) U1000.E27(VSS_69) U1000.E30(VSS_70) U1000.E31(VSS_71) U1000.E33(VSS_72) U1000.E34(VSS_73) U1000.E37(VSS_74) U1000.E38(VSS_75) U1000.E39(VSS_76) U1000.E40(AVSS_2) U1000.F2(VSS_77) U1000.F3(VSS_78) U1000.F4(VSS_79) U1000.F8(VSS_80) U1000.F9(VSS_81) U1000.F10(VSS_82) U1000.F13(VSS_83) U1000.F14(VSS_84) U1000.F15(VSS_85) U1000.F16(VSS_86) U1000.F19(VSS_87) U1000.F21(VSS_88) U1000.F23(VSS_89) U1000.F29(VSS_90) U1000.F31(VSS_91) U1000.F33(VSS_92) U1000.F34(VSS_93) U1000.F35(VSS_94) U1000.F36(VSS_95) U1000.F38(VSS_96) U1000.F39(VSS_97) U1000.F40(AVSS_3) U1000.G3(VSS_98) U1000.G6(VSS_99) U1000.G8(VSS_100) U1000.G9(VSS_101) U1000.G10(VSS_102) U1000.G12(VSS_103) U1000.G20(VSS_104) U1000.G21(VSS_105) U1000.G22(VSS_106) U1000.G25(VSS_107) U1000.G26(VSS_108) U1000.G29(VSS_109) U1000.G36(AVSS_4) U1000.G41(AVSS_5) U1000.H3(VSS_110) U1000.H4(VSS_111) U1000.H5(VSS_112) U1000.H6(VSS_113) U1000.H11(VSS_114) U1000.H12(VSS_115) U1000.H22(VSS_116) U1000.H25(VSS_117) U1000.H29(VSS_118) U1000.H37(AVSS_6) U1000.H40(AVSS_7) U1000.J2(VSS_119) U1000.J6(VSS_120) U1000.J7(VSS_121) U1000.J8(VSS_122) U1000.J9(VSS_123) U1000.J10(VSS_124) U1000.J12(VSS_125) U1000.J14(VSS_126) U1000.J15(VSS_127) U1000.J16(VSS_128) U1000.J22(VSS_129) U1000.J24(VSS_130) U1000.J26(VSS_131) U1000.J29(VSS_132) U1000.J30(VSS_133) U1000.J31(VSS_134) U1000.J38(AVSS_8) U1000.J39(AVSS_9) U1000.J40(AVSS_10) U1000.K3(VSS_135) U1000.K6(VSS_136) U1000.K7(VSS_137) U1000.K10(VSS_138) U1000.K11(VSS_139) U1000.K12(VSS_140) U1000.K14(VSS_141) U1000.K17(VSS_142) U1000.K22(VSS_143) U1000.K23(VSS_144) U1000.K25(VSS_145) U1000.K26(VSS_146) U1000.K31(VSS_147) U1000.K32(VSS_148) U1000.K33(VSS_149) U1000.K34(AVSS_11) U1000.K35(AVSS_12) U1000.K36(AVSS_13) U1000.K37(AVSS_14) U1000.K38(AVSS_15) U1000.K39(AVSS_16) U1000.K40(AVSS_17) U1000.L2(VSS_150) U1000.L3(VSS_151) U1000.L5(VSS_152) U1000.L6(VSS_153) U1000.L10(VSS_154) U1000.L11(VSS_155) U1000.L12(VSS_156) U1000.L14(VSS_157) U1000.L22(VSS_158) U1000.L23(VSS_159) U1000.L24(VSS_160) U1000.L32(VSS_161) U1000.L33(VSS_162) U1000.L34(AVSS_18) U1000.L35(AVSS_19) U1000.L36(VSS_163) U1000.L41(AVSS_20) U1000.M2(VSS_164) U1000.M5(VSS_165) U1000.M8(VSS_166) U1000.M9(VSS_167) U1000.M10(VSS_168) U1000.M12(VSS_169) U1000.M14(VSS_170) U1000.M17(VSS_171) U1000.M19(VSS_172) U1000.M21(VSS_173) U1000.M22(VSS_174) U1000.M23(VSS_175) U1000.M33(AVSS_21) U1000.M34(AVSS_22) U1000.M35(VSS_176) U1000.M36(VSS_177) U1000.N3(VSS_178) U1000.N7(VSS_179) U1000.N9(VSS_180) U1000.N11(VSS_181) U1000.N12(VSS_182) U1000.N15(DDR_CH1_PLL_AVSS) U1000.N16(VSS_183) U1000.N17(VSS_184) U1000.N18(VSS_185) U1000.N21(VSS_186) U1000.N22(VSS_187) U1000.N33(AVSS_23) U1000.N34(VSS_188) U1000.N38(VSS_189) U1000.N39(VSS_190) U1000.N40(VSS_191) U1000.P2(VSS_192) U1000.P6(VSS_193) U1000.P7(VSS_194) U1000.P8(VSS_195) U1000.P9(VSS_196) U1000.P12(VSS_197) U1000.P16(VSS_198) U1000.P17(VSS_199) U1000.P18(VSS_200) U1000.P19(VSS_201) U1000.P25(VSS_202) U1000.P26(VSS_203) U1000.P27(VSS_204) U1000.P28(VSS_205) U1000.P29(VSS_206) U1000.P30(VSS_207) U1000.P31(VSS_208) U1000.P32(VSS_209) U1000.P33(VSS_210) U1000.P34(VSS_211) U1000.R3(VSS_212) U1000.R4(VSS_213) U1000.R8(VSS_214) U1000.R16(VSS_215) U1000.R20(VSS_216) U1000.R21(VSS_217) U1000.R25(VSS_218) U1000.R35(VSS_219) U1000.T2(VSS_220) U1000.T3(VSS_221) U1000.T4(VSS_222) U1000.T7(VSS_223) U1000.T16(VSS_224) U1000.T17(VSS_225) U1000.T18(VSS_226) U1000.T20(VSS_227) U1000.T21(VSS_228) U1000.T24(VSS_229) U1000.T25(VSS_230) U1000.T35(VSS_231) U1000.T36(VSS_232) U1000.T37(VSS_233) U1000.T38(VSS_234) U1000.T39(VSS_235) U1000.T40(VSS_236) U1000.U6(VSS_237) U1000.U7(VSS_238) U1000.U8(VSS_239) U1000.U16(VSS_240) U1000.U17(VSS_241) U1000.U18(VSS_242) U1000.U20(VSS_243) U1000.U21(VSS_244) U1000.U22(VSS_245) U1000.U23(VSS_246) U1000.U24(VSS_247) U1000.U25(VSS_248) U1000.U39(VSS_249) U1000.U40(VSS_250) U1000.U41(VSS_251) U1000.V3(VSS_252) U1000.V6(VSS_253) U1000.V7(VSS_254) U1000.V8(VSS_255) U1000.V16(VSS_256) U1000.V17(VSS_257) U1000.V19(VSS_258) U1000.V23(VSS_259) U1000.V24(VSS_260) U1000.V25(VSS_261) U1000.V30(VSS_262) U1000.V31(VSS_263) U1000.V32(VSS_264) U1000.V33(VSS_265) U1000.V34(VSS_266) U1000.V38(VSS_267) U1000.V39(VSS_268) U1000.V40(VSS_269) U1000.V41(TVSS) U1000.W2(VSS_270) U1000.W5(VSS_271) U1000.W7(VSS_272) U1000.W8(VSS_273) U1000.W9(VSS_274) U1000.W18(VSS_275) U1000.W19(VSS_276) U1000.W22(VSS_277) U1000.W23(VSS_278) U1000.W24(VSS_279) U1000.W26(VSS_280) U1000.Y3(VSS_281) U1000.Y4(VSS_282) U1000.Y5(VSS_283) U1000.Y6(VSS_284) U1000.Y11(VSS_285) U1000.Y18(VSS_286) U1000.Y19(VSS_287) U1000.Y22(VSS_288) U1000.Y23(VSS_289) U1000.Y24(VSS_290) U1000.Y28(VSS_291) U1000.Y29(VSS_292) U1000.Y30(VSS_293) U1000.Y31(VSS_294) U1000.Y32(VSS_295) U2000.1(CTG) U2000.4(GND) U2000.6(QSTRT) U2000.9(GNDPAD) U2102.4(VSS) U2200.69(EPAD) U2300.B2(GND1) U2300.B3(GND2) U2300.B4(AGND) U2300.C1(GND3) U2300.C2(GND4) U2300.C3(GND5) U2300.C4(GND6) U2301.B2(GND1) U2301.B3(GND2) U2301.B4(AGND) U2301.C1(GND3) U2301.C2(GND4) U2301.C3(GND5) U2301.C4(GND6) U2302.B2(GND1) U2302.B3(GND2) U2302.B4(AGND) U2302.C1(GND3) U2302.C2(GND4) U2302.C3(GND5) U2302.C4(GND6) U2303.2(GND) U2304.2(GND) U2501.17(PGND1) U2501.18(PGND2) U2501.25(PAD) U2600.8(GND_8) U2600.9(GND_9) U2600.15(EPAD) U2602.3(GND#3) U2602.8(GND#8) U2603.3(GND#3) U2603.8(GND#8) U3800.A3(VSS_1) U3800.A10(VSS_2) U3800.AB3(VSS_55) U3800.AB5(VSS_56) U3800.AB8(VSS_57) U3800.AB10(VSS_58) U3800.C1(VSS_3) U3800.C5(VSS_4) U3800.C8(VSS_5) U3800.C12(VSS_6) U3800.D2(VSS_7) U3800.D4(VSS_8) U3800.D9(VSS_9) U3800.D11(VSS_10) U3800.E1(VSS_11) U3800.E5(VSS_12) U3800.E8(VSS_13) U3800.E12(VSS_14) U3800.G1(VSS_15) U3800.G3(VSS_16) U3800.G5(VSS_17) U3800.G8(VSS_18) U3800.G10(VSS_19) U3800.G12(VSS_20) U3800.J1(VSS_21) U3800.J3(VSS_22) U3800.J10(VSS_23) U3800.J12(VSS_24) U3800.K2(VSS_25) U3800.K4(VSS_26) U3800.K9(VSS_27) U3800.K11(VSS_28) U3800.N2(VSS_29) U3800.N4(VSS_30) U3800.N9(VSS_31) U3800.N11(VSS_32) U3800.P1(VSS_33) U3800.P3(VSS_34) U3800.P10(VSS_35) U3800.P12(VSS_36) U3800.T1(VSS_37) U3800.T3(VSS_38) U3800.T5(VSS_39) U3800.T8(VSS_40) U3800.T10(VSS_41) U3800.T12(VSS_42) U3800.V1(VSS_43) U3800.V5(VSS_44) U3800.V8(VSS_45) U3800.V12(VSS_46) U3800.W2(VSS_47) U3800.W4(VSS_48) U3800.W9(VSS_49) U3800.W11(VSS_50) U3800.Y1(VSS_51) U3800.Y5(VSS_52) U3800.Y8(VSS_53) U3800.Y12(VSS_54) U3801.A3(VSS_1) U3801.A10(VSS_2) U3801.AB3(VSS_55) U3801.AB5(VSS_56) U3801.AB8(VSS_57) U3801.AB10(VSS_58) U3801.C1(VSS_3) U3801.C5(VSS_4) U3801.C8(VSS_5) U3801.C12(VSS_6) U3801.D2(VSS_7) U3801.D4(VSS_8) U3801.D9(VSS_9) U3801.D11(VSS_10) U3801.E1(VSS_11) U3801.E5(VSS_12) U3801.E8(VSS_13) U3801.E12(VSS_14) U3801.G1(VSS_15) U3801.G3(VSS_16) U3801.G5(VSS_17) U3801.G8(VSS_18) U3801.G10(VSS_19) U3801.G12(VSS_20) U3801.J1(VSS_21) U3801.J3(VSS_22) U3801.J10(VSS_23) U3801.J12(VSS_24) U3801.K2(VSS_25) U3801.K4(VSS_26) U3801.K9(VSS_27) U3801.K11(VSS_28) U3801.N2(VSS_29) U3801.N4(VSS_30) U3801.N9(VSS_31) U3801.N11(VSS_32) U3801.P1(VSS_33) U3801.P3(VSS_34) U3801.P10(VSS_35) U3801.P12(VSS_36) U3801.T1(VSS_37) U3801.T3(VSS_38) U3801.T5(VSS_39) U3801.T8(VSS_40) U3801.T10(VSS_41) U3801.T12(VSS_42) U3801.V1(VSS_43) U3801.V5(VSS_44) U3801.V8(VSS_45) 